# Altium PCB MAX96724_COUPON.PcbDoc (part 1 of 2) (continued)
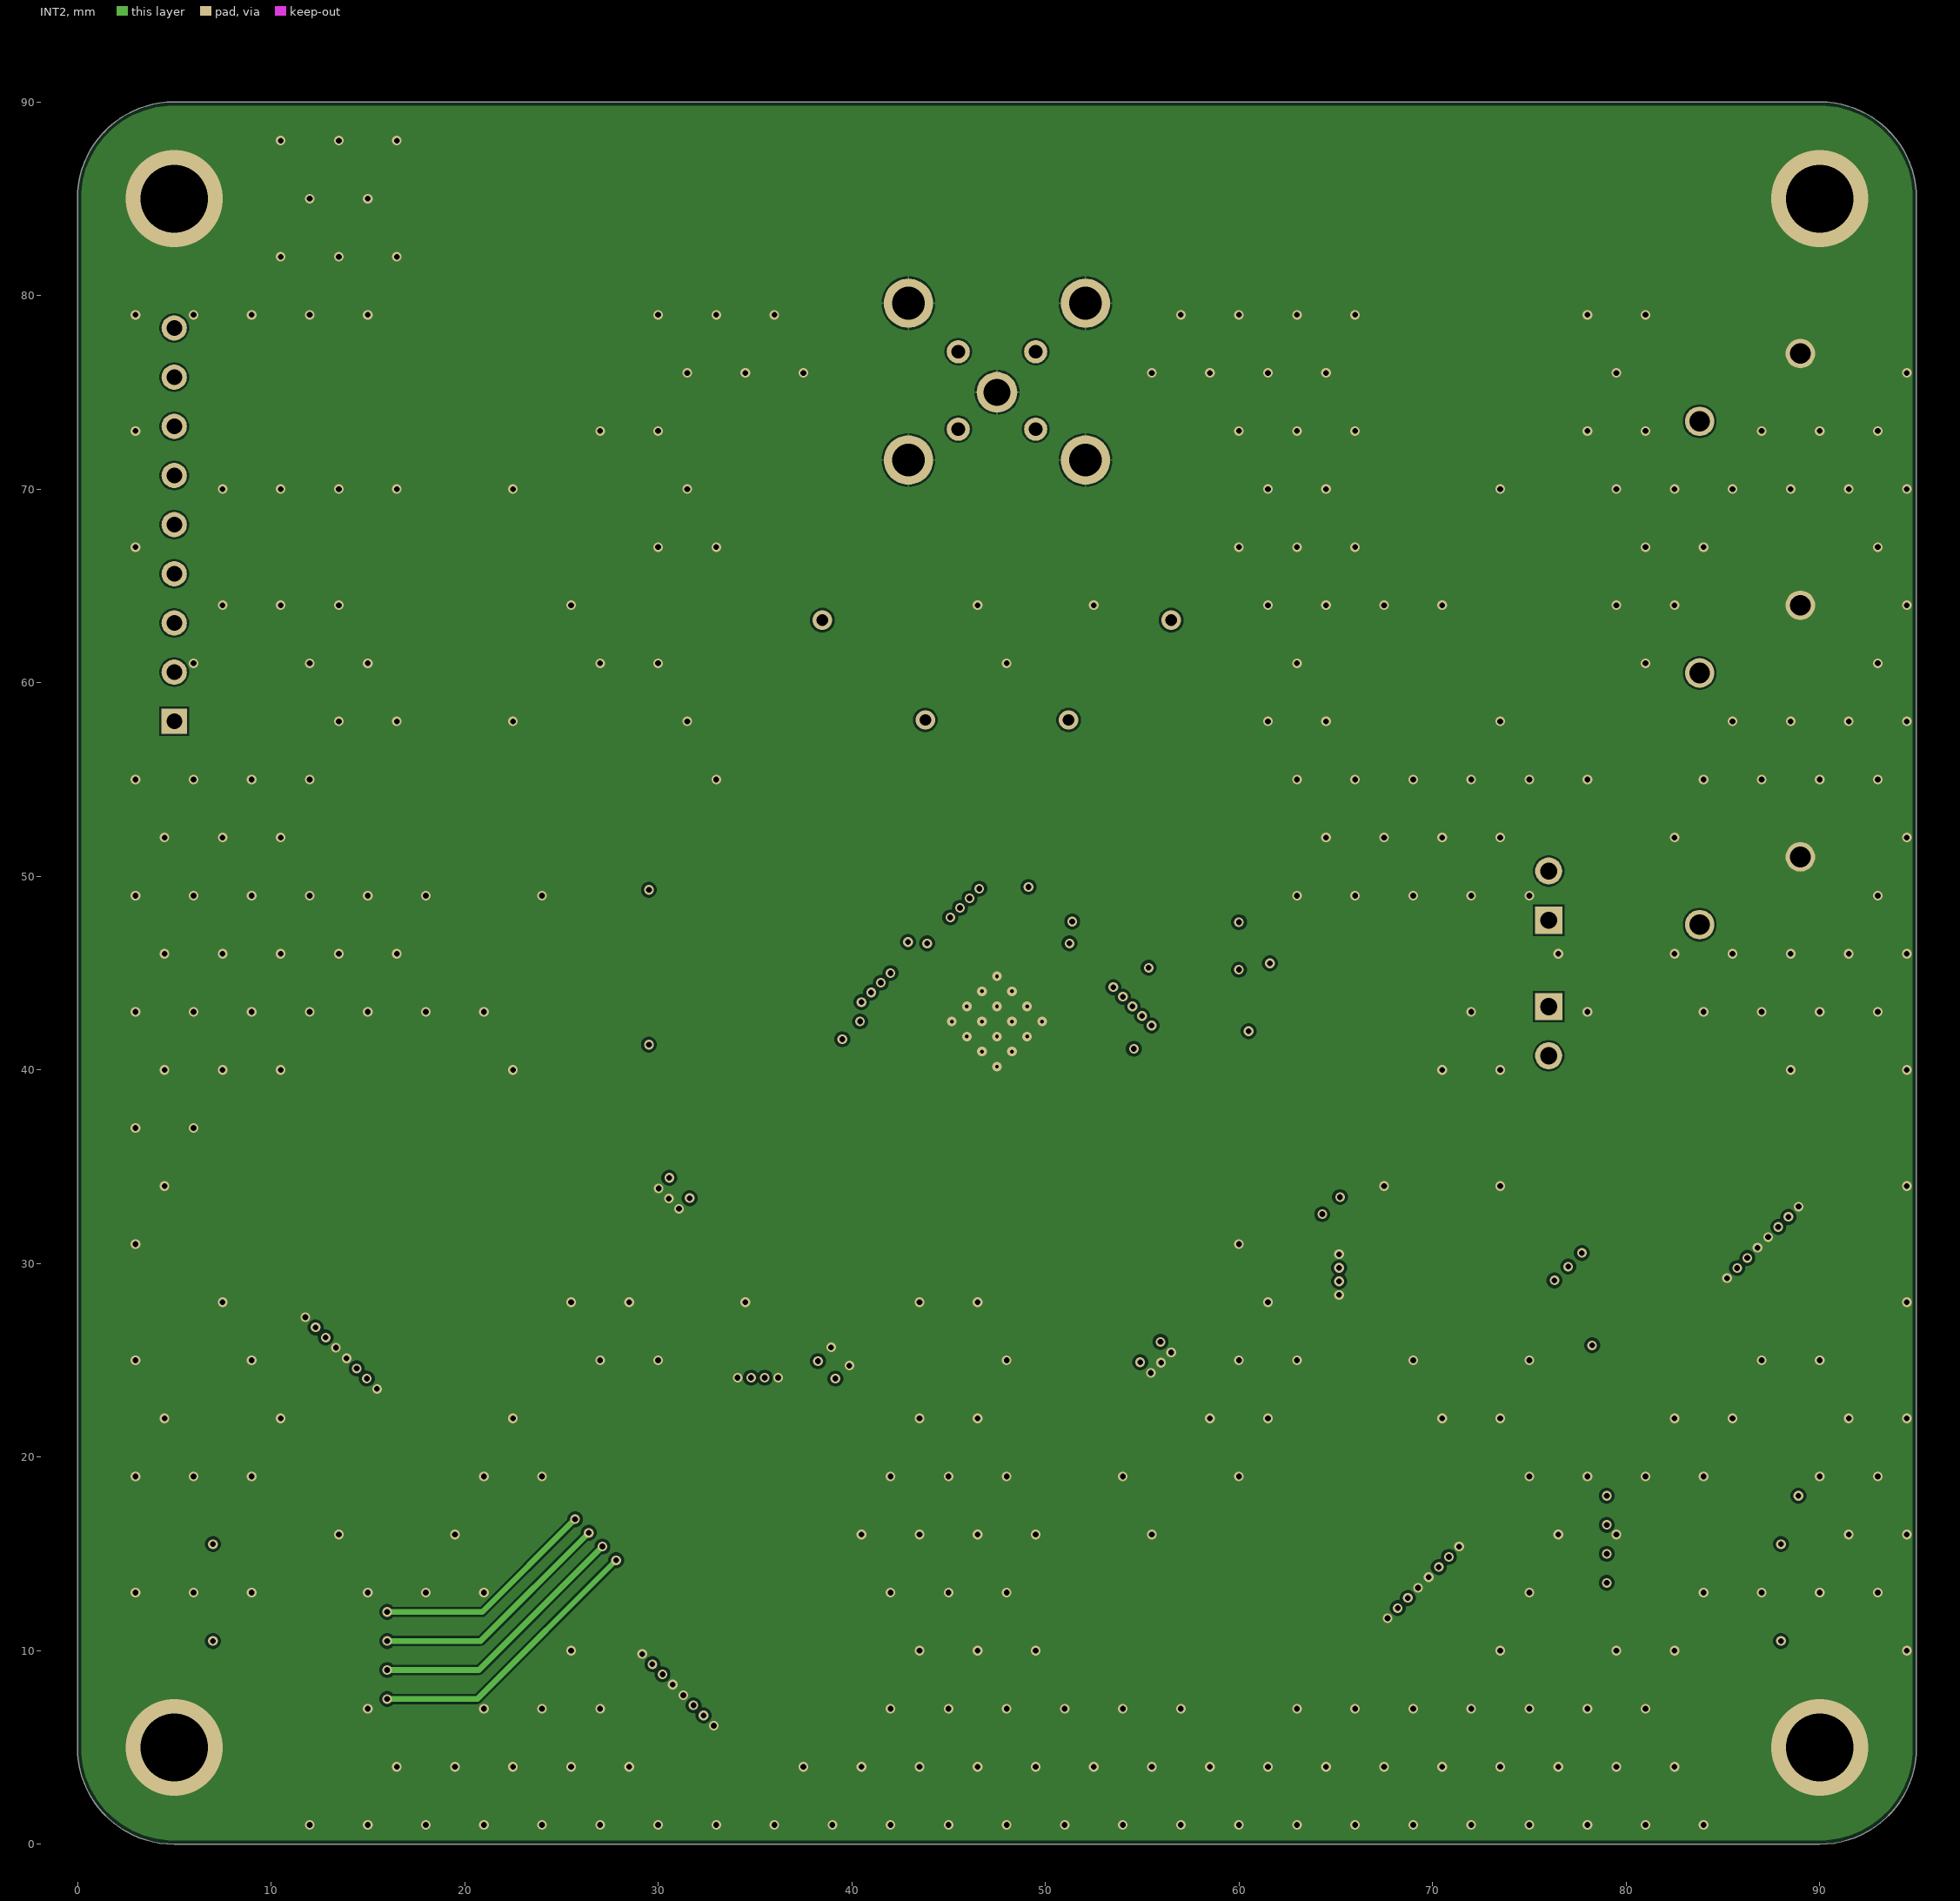
[diagram p3: INT2]
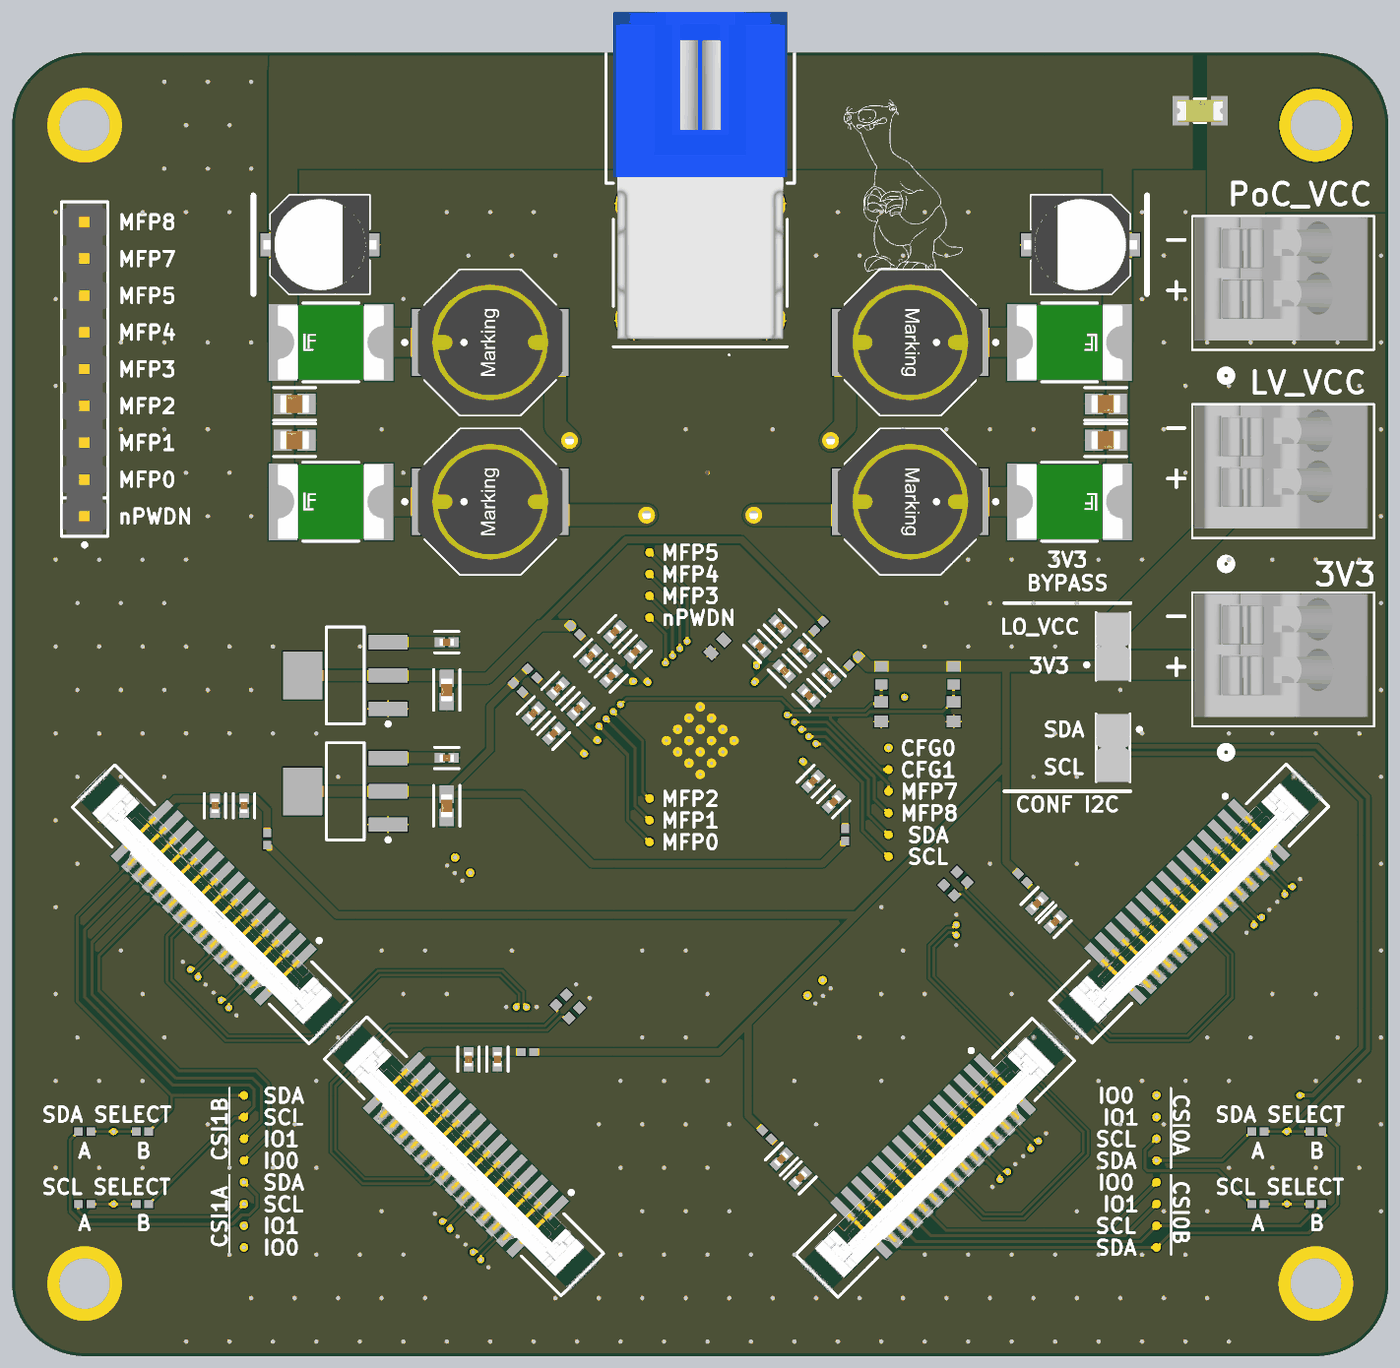
[diagram p5: 3D render of the assembled board from above, using the file's embedded part models]
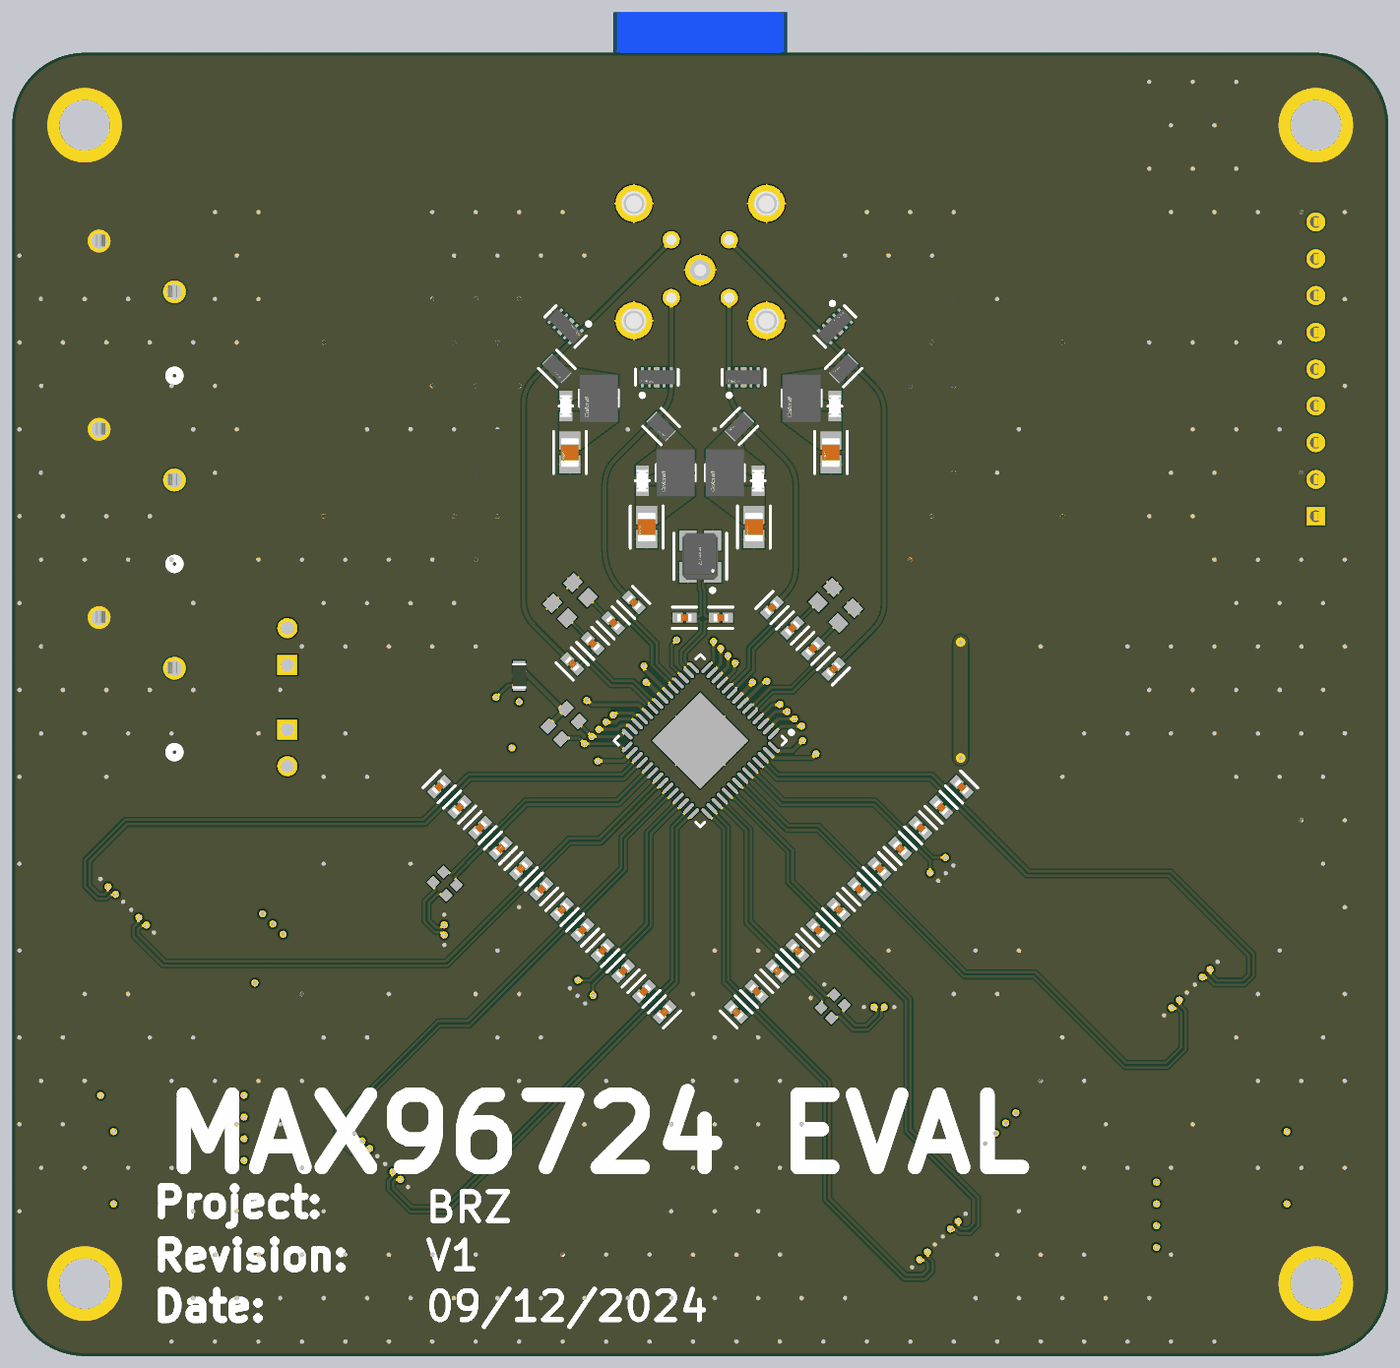
[diagram p6: 3D render of the assembled board from below, using the file's embedded part models]

## Layer stack, top to bottom
Top Solder: solder mask 0.0102, Solder Resist, Dk 3.5
TOP: signal copper 0.035
Dielectric 3: prepreg 0.2104, PP-022, Dk 4.4
INT1: signal copper 0.0152
Dielectric 1: dielectric 1.065, FR-4, Dk 4.6
INT2: signal copper 0.0152
Dielectric 4: prepreg 0.2104, PP-022, Dk 4.4
BOT: signal copper 0.035
Bottom Solder: solder mask 0.0102, Solder Resist, Dk 3.5

## Board outline
5,0 cw(c5,5) 0,5 0,85 cw(c5,85) 5,90 90,90 cw(c90,85) 95,85 95,5 cw(c90,5) 90,0

## Design rules (kind name [scope] priority, off if disabled: settings)
BoardOutlineClearance [All] p1: gap=0.2 ignorepadtopadclearanceinfootprint=FALSE
Clearance [All] p1: gap=0.102 ignorepadtopadclearanceinfootprint=FALSE except(0.127: Arc-Via Track-Via SMDPad-Via THPad-Via Via-Via Via-Fill Via-Poly Via-Region Via-Text; 0.25: Arc-Hole Track-Hole SMDPad-Hole THPad-Hole Via-Hole Fill-Hole Poly-Hole Region-Hole Text-Hole)
ComponentClearance [All] p1: gap=0.102 collisioncheckmode=3 verticalgap=0.102 showdistances=TRUE
DiffPairsRouting DiffPairsRouting_100DIFF [InDifferentialPairClass('100DIFF')] p1: maxlimit=0.15 minlimit=0.127 mostfreqgap=0.15 toplayer_mingap=0.15 toplayer_minwidth=0.172 toplayer_maxwidth=0.172 toplayer_prefwidth=0.172 midlayer1_maxgap=0.127 midlayer1_prefgap=0.127 midlayer1_minwidth=0.092 midlayer1_maxwidth=0.092 midlayer1_prefwidth=0.092 midlayer2_maxgap=0.127 midlayer2_prefgap=0.127 midlayer2_minwidth=0.092 midlayer2_maxwidth=0.092 midlayer2_prefwidth=0.092 bottomlayer_mingap=0.15 bottomlayer_minwidth=0.172 bottomlayer_maxwidth=0.172 bottomlayer_prefwidth=0.172 impedanceprofiledriven=TRUE impedanceprofileid={13D1A9AB-2113-42CE-8DFF-950184DB0145} impedanceprofilevalue=100.000000 maxuncoupledlength=12.7
DiffPairsRouting [All] p2: maxlimit=0.102 minlimit=0.102 mostfreqgap=0.102 toplayer_minwidth=0.102 toplayer_maxwidth=1816.048 toplayer_prefwidth=0.102 midlayer1_minwidth=0.102 midlayer1_maxwidth=1816.048 midlayer1_prefwidth=0.102 midlayer2_minwidth=0.102 midlayer2_maxwidth=1816.048 midlayer2_prefwidth=0.102 bottomlayer_minwidth=0.102 bottomlayer_maxwidth=1816.048 bottomlayer_prefwidth=0.102 maxuncoupledlength=12.7
Height [All] p1: minheight=0 maxheight=1816.048 prefheight=12.7
HoleSize [All] p1: absolutevalues=TRUE maxlimit=6.3 minlimit=0.2 maxpercent=80.000 minpercent=20.000
HoleToHoleClearance [All] p1: gap=0.25 allowstackedmicrovias=FALSE
MatchedLengths CSI_PAIRS_LENGTH_MATCH [InDifferentialPairClass('100DIFF')] p1: tolerance=25.4 checknetsindiffpair=TRUE checkdiffpairvsdiffpair=FALSE checkxsignals=FALSE checkothers=FALSE usedelayunits=TRUE delaytolerance=0.500000
MinimumAnnularRing [All] p1: minimumring=0.076
MinimumSolderMaskSliver [All] p1: minsoldermaskwidth=0
PlaneClearance [All] p1: clearance=0.102
PlaneConnect PlaneConnectPowerPads [InPadClass('PowerPads')] p1: planeconnectstyle=Direct reliefexpansion=0.508 reliefentries=4 reliefconductorwidth=0.254 reliefairgap=0.254
PlaneConnect [All] p2: pad.planeconnectstyle=Relief pad.reliefexpansion=0.3 pad.reliefentries=4 pad.reliefconductorwidth=0.102 pad.reliefairgap=0.102 via.planeconnectstyle=Direct via.reliefexpansion=0.3 via.reliefentries=4 via.reliefconductorwidth=0.127 via.reliefairgap=0.127
PolygonConnect PolygonConnectPowerPads [InNetClass('PWR')] p1: connectstyle=Direct reliefconductorwidth=0.254 reliefentries=4 polygonreliefangle="90 Angle" airgapwidth=0.254
PolygonConnect PolygonConnect_PWR_CONNs [HasFootprint('1-2834011-2-Footprint-1')] p2: connectstyle=Direct reliefconductorwidth=0.102 reliefentries=4 polygonreliefangle="90 Angle" airgapwidth=0.102
PolygonConnect [All] p3: thpad.connectstyle=Relief thpad.reliefconductorwidth=0.102 thpad.reliefentries=4 thpad.polygonreliefangle="90 Angle" thpad.airgapwidth=0.102 smdpad.connectstyle=Relief smdpad.reliefconductorwidth=0.102 smdpad.reliefentries=4 smdpad.polygonreliefangle="90 Angle" smdpad.airgapwidth=0.102 via.connectstyle=Direct via.reliefconductorwidth=0.127 via.reliefentries=4 via.polygonreliefangle="90 Angle" via.airgapwidth=0.127
RoutingVias [All] p1: holewidth=0.2 width=0.45 viastyle="Through Hole" minholewidth=0.2 minwidth=0.45 maxholewidth=6.3 maxwidth=6.55
SilkToSilkClearance [All] p1: silktosilkclearance=0
SilkToSolderMaskClearance [IsPad] p1: minsilkscreentomaskgap=0.102 clearancetoexposedcopper=TRUE
SolderMaskExpansion [All] p1: expansion=0.075 istentingtop=FALSE
Width Width_50SINGLE [InNetClass('50SINGLE')] p1: maxlimit=0.264 minlimit=0.181 preferedwidth=0.264 toplayer_minwidth=0.264 midlayer1_maxwidth=0.181 midlayer1_prefwidth=0.181 midlayer2_maxwidth=0.181 midlayer2_prefwidth=0.181 bottomlayer_minwidth=0.264 impedanceprofiledriven=TRUE impedanceprofileid={F0F446AF-9D69-427E-851C-CC714E0DDE48} impedanceprofilevalue=50.000000 minimp=50.000000 maximp=50.000000 favimp=50.000000
Width [All] p2: maxlimit=1816.048 minlimit=0.102 preferedwidth=0.102
20 further rules are at their usual default settings.

## Classes and differential pairs
net class PWR: 3V3_AUX LO_VCC NetC64_1 NetC65_1 NetC66_1 NetC67_1 NetF2_2 NetF3_2 NetF4_2 NetF5_2 NetL1_2 NetL3_2 NetL5_2 NetL7_2 PoC_PWR VCC
differential pair class 100DIFF: CKA CKB CKC CKF CSI0_CK CSI0_D0 CSI0_D1 CSI0_D2 CSI0_D3 CSI1_CK CSI1_D0 CSI1_D1 CSI1_D2 CSI1_D3 DA0 DA1 DA2 DA3 DB0 DB1 DB2 DB3 J1 J2 J3 J4 SIOA SIOB SIOC SIOD
net class 50SINGLE: PoC_A PoC_B PoC_C PoC_D
component class MAX96724_COUPON: C1 C2 C3 C4 C5 C6 C7 C8 C9 C10 C11 C12 C13 C72 F1 J1 J2 J3 J4 J5 J6 J7 J9 P1 P2 R1 R2 R3 R4 R5 R6 R7 R9 R11 R12 R13 R15 R17 R18 R19 R20 R21 R22 R23 R24 TP1 TP2 TP3 TP4 TP5 TP6 TP7 TP8 TP10 TP11 TP12 TP13 TP14 TP15 TP16 TP17
component class GMSL_DESERIALIZER_0: C14 C15 C16 C17 C18 C19 C20 C21 C22 C23 C24 C25 C26 C27 C28 C29 C30 C31 C32 C33 C34 C35 C36 C37 C38 C39 C40 C41 C42 C43 C44 C45 C46 C47 C48 C49 C50 C51 C52 C53 C54 C55 C56 C57 C58 C59 C60 C61 C62 C63 C64 C65 C66 C67 C68 C69 C70 C71 D1 D2 D3 D4 F2 F3 F4 F5 J8 L1 L2 L3 L4 L5 L6 L7 L8 L9 L10 L11 L12 R25 R26 R27 R28 R29 R30 R31 R32 R34 R35 R36 R37 R38 R39 R40 R41 R42 R43 R44 R45 R46 R47 TP18 TP19 TP20 TP21 TP22 TP23 TP24 TP25 TP26 TP27 TP28 TP29 TP30 TP31 TP32 TP33 TP34 U1 U2 U3 Y1
differential pair J4: +J4_P -J4_N
differential pair J3: +J3_P -J3_N
differential pair J2: +J2_P -J2_N
differential pair J1: +J1_P -J1_N
differential pair X25: +X25_P -X25_N
differential pair SIOD: +SIOD_P -SIOD_N
differential pair SIOC: +SIOC_P -SIOC_N
differential pair SIOB: +SIOB_P -SIOB_N
differential pair SIOA: +SIOA_P -SIOA_N
differential pair DB3: +DB3_P -DB3_N
differential pair DB2: +DB2_P -DB2_N
differential pair DB1: +DB1_P -DB1_N
differential pair DB0: +DB0_P -DB0_N
differential pair DA3: +DA3_P -DA3_N
differential pair DA2: +DA2_P -DA2_N
differential pair DA1: +DA1_P -DA1_N
differential pair DA0: +DA0_P -DA0_N
differential pair CSI1_D3: +CSI1_D3_P -CSI1_D3_N
differential pair CSI1_D2: +CSI1_D2_P -CSI1_D2_N
differential pair CSI1_D1: +CSI1_D1_P -CSI1_D1_N
differential pair CSI1_D0: +CSI1_D0_P -CSI1_D0_N
differential pair CSI1_CK: +CSI1_CK_P -CSI1_CK_N
differential pair CSI0_D3: +CSI0_D3_P -CSI0_D3_N
differential pair CSI0_D2: +CSI0_D2_P -CSI0_D2_N
differential pair CSI0_D1: +CSI0_D1_P -CSI0_D1_N
differential pair CSI0_D0: +CSI0_D0_P -CSI0_D0_N
differential pair CSI0_CK: +CSI0_CK_P -CSI0_CK_N
differential pair CKF: +CKF_P -CKF_N
differential pair CKC: +CKC_P -CKC_N
differential pair CKB: +CKB_P -CKB_N
differential pair CKA: +CKA_P -CKA_N

## Components (designator, comment, footprint, x,y, rotation, side; value= is the part's Value field where it differs from the comment)
C1 "EEEFK1E101XP" PNSC-FK-V-D8_V 21.25,76.75 r0 top
C2 "EEEFK1E101XP" PNSC-FK-V-D8_V 73.75,76.75 r180 top
C3 "GRM21BR61E226ME44L" FP-GRM21B-0_2-e0_2_0_7-IPC_B 19.5,65.75 r180 top
C4 "GRM21BR61E226ME44L" FP-GRM21B-0_2-e0_2_0_7-IPC_B 19.5,63.25 r180 top
C5 "GRM21BR61E226ME44L" FP-GRM21B-0_2-e0_2_0_7-IPC_B 75.5,63.25 r0 top
C6 "100n" FP-0402-L_1_0_0_05-W_0_5-IPC_A 72,30 r225 top
C7 "10u" FP-0402-L_1_0_0_05-W_0_5-IPC_A 70.75,31.25 r225 top
C8 "100n" FP-0402-L_1_0_0_05-W_0_5-IPC_A 54.4,12.3 r225 top
C9 "10u" FP-0402-L_1_0_0_05-W_0_5-IPC_A 53.1,13.6 r225 top
C10 "100n" FP-0402-L_1_0_0_05-W_0_5-IPC_A 31.5,20.5 r270 top
C11 "10u" FP-0402-L_1_0_0_05-W_0_5-IPC_A 33.5,20.5 r270 top
C12 "100n" FP-0402-L_1_0_0_05-W_0_5-IPC_A 14,38 r270 top
C13 "10u" FP-0402-L_1_0_0_05-W_0_5-IPC_A 16,38 r270 top
C14 "100n" FP-0402-L_1_0_0_05-W_0_5-IPC_A 65.531,39.318 r315 bottom
C15 "100n" FP-0402-L_1_0_0_05-W_0_5-IPC_A 64.117,37.904 r315 bottom
C16 "100n" FP-0402-L_1_0_0_05-W_0_5-IPC_A 59.874,33.661 r315 bottom
C17 "100n" FP-0402-L_1_0_0_05-W_0_5-IPC_A 58.46,32.247 r315 bottom
C18 "100n" FP-0402-L_1_0_0_05-W_0_5-IPC_A 57.046,30.833 r315 bottom
C19 "100n" FP-0402-L_1_0_0_05-W_0_5-IPC_A 55.632,29.419 r315 bottom
C20 "220n" FP-0402-L_1_0_0_05-W_0_5-IPC_A 56.339,47.803 r45 bottom
C21 "220n" FP-0402-L_1_0_0_05-W_0_5-IPC_A 52.096,52.046 r45 bottom
C22 "100n" FP-0402-L_1_0_0_05-W_0_5-IPC_A 51.389,25.176 r315 bottom
C23 "100n" FP-0402-L_1_0_0_05-W_0_5-IPC_A 49.975,23.762 r315 bottom
C24 "100n" FP-0402-L_1_0_0_05-W_0_5-IPC_A 62.703,36.49 r315 bottom
C25 "220n" FP-0402-L_1_0_0_05-W_0_5-IPC_A 54.925,49.218 r45 bottom
C26 "220n" FP-0402-L_1_0_0_05-W_0_5-IPC_A 53.51,50.632 r45 bottom
C27 "100n" FP-0402-L_1_0_0_05-W_0_5-IPC_A 61.289,35.075 r315 bottom
C28 "100n" FP-0402-L_1_0_0_05-W_0_5-IPC_A 45.025,23.762 r225 bottom
C29 "100n" FP-0402-L_1_0_0_05-W_0_5-IPC_A 43.611,25.176 r225 bottom
C30 "100n" FP-0402-L_1_0_0_05-W_0_5-IPC_A 39.368,29.419 r225 bottom
C31 "100n" FP-0402-L_1_0_0_05-W_0_5-IPC_A 37.954,30.833 r225 bottom
C32 "100n" FP-0402-L_1_0_0_05-W_0_5-IPC_A 36.54,32.247 r225 bottom
C33 "100n" FP-0402-L_1_0_0_05-W_0_5-IPC_A 35.126,33.661 r225 bottom
C34 "220n" FP-0402-L_1_0_0_05-W_0_5-IPC_A 42.55,51.692 r135 bottom
C35 "220n" FP-0402-L_1_0_0_05-W_0_5-IPC_A 38.308,47.45 r135 bottom
C36 "100n" FP-0402-L_1_0_0_05-W_0_5-IPC_A 30.868,37.889 r225 bottom
C37 "100n" FP-0402-L_1_0_0_05-W_0_5-IPC_A 29.454,39.303 r225 bottom
C38 "100n" FP-0402-L_1_0_0_05-W_0_5-IPC_A 42.197,26.59 r225 bottom
C39 "220n" FP-0402-L_1_0_0_05-W_0_5-IPC_A 41.136,50.278 r135 bottom
C40 "220n" FP-0402-L_1_0_0_05-W_0_5-IPC_A 39.722,48.864 r135 bottom
C41 "100n" FP-0402-L_1_0_0_05-W_0_5-IPC_A 40.782,28.004 r225 bottom
C42 "30p" FP-0402-L_1_0_0_05-W_0_5-IPC_A 46.086,50.985 r0 bottom
C43 "30p" FP-0402-L_1_0_0_05-W_0_5-IPC_A 48.586,50.985 r180 bottom
C44 "100n" FP-0402-L_1_0_0_05-W_0_5-IPC_A 30,49.3 r180 top
C45 "GRM188R60J106ME47D" FP-GRM188-0_1-e0_2_0_55-IPC_A 30,46 r270 top
C46 "10u" FP-0402-L_1_0_0_05-W_0_5-IPC_A 41.601,50.036 r225 top
C47 "100n" FP-0402-L_1_0_0_05-W_0_5-IPC_A 43.03,48.637 r225 top
C48 "10u" FP-0402-L_1_0_0_05-W_0_5-IPC_A 53.015,50.42 r315 top
C49 "100n" FP-0402-L_1_0_0_05-W_0_5-IPC_A 51.601,49.005 r315 top
C50 "10u" FP-0402-L_1_0_0_05-W_0_5-IPC_A 35.974,44.409 r45 top
C51 "100n" FP-0402-L_1_0_0_05-W_0_5-IPC_A 37.388,42.995 r45 top
C52 "10u" FP-0402-L_1_0_0_05-W_0_5-IPC_A 37.67,46.106 r225 top
C53 "100n" FP-0402-L_1_0_0_05-W_0_5-IPC_A 39.085,44.692 r225 top
C54 "10u" FP-0402-L_1_0_0_05-W_0_5-IPC_A 39.934,48.369 r45 top
C55 "10n" FP-0402-L_1_0_0_05-W_0_5-IPC_A 41.349,46.955 r45 top
C56 "10u" FP-0402-L_1_0_0_05-W_0_5-IPC_A 54.712,48.723 r135 top
C57 "10n" FP-0402-L_1_0_0_05-W_0_5-IPC_A 53.298,47.308 r135 top
C58 "100n" FP-0402-L_1_0_0_05-W_0_5-IPC_A 30,41.3 r180 top
C59 "GRM188R60J106ME47D" FP-GRM188-0_1-e0_2_0_55-IPC_A 30,38 r270 top
C60 "10u" FP-0402-L_1_0_0_05-W_0_5-IPC_A 56.41,47.025 r315 top
C61 "10n" FP-0402-L_1_0_0_05-W_0_5-IPC_A 54.995,45.611 r315 top
C62 "10u" FP-0402-L_1_0_0_05-W_0_5-IPC_A 56.709,38.273 r45 top
C63 "10n" FP-0402-L_1_0_0_05-W_0_5-IPC_A 55.293,39.687 r45 top
C64 "GRM21BR61E226ME44L" FP-GRM21B-0_2-e0_2_0_7-IPC_B 56.5,62.4 r270 bottom
C65 "GRM21BR61E226ME44L" FP-GRM21B-0_2-e0_2_0_7-IPC_B 51.2,57.25 r270 bottom
C66 "GRM21BR61E226ME44L" FP-GRM21B-0_2-e0_2_0_7-IPC_B 38.478,62.4 r270 bottom
C67 "GRM21BR61E226ME44L" FP-GRM21B-0_2-e0_2_0_7-IPC_B 43.8,57.25 r270 bottom
C68 "100n" FP-0402-L_1_0_0_05-W_0_5-IPC_A 54.238,28.004 r135 bottom
C69 "100n" FP-0402-L_1_0_0_05-W_0_5-IPC_A 52.824,26.59 r135 bottom
C70 "100n" FP-0402-L_1_0_0_05-W_0_5-IPC_A 33.696,35.06 r45 bottom
C71 "100n" FP-0402-L_1_0_0_05-W_0_5-IPC_A 32.282,36.474 r45 bottom
C72 "GRM21BR61E226ME44L" FP-GRM21B-0_2-e0_2_0_7-IPC_B 75.5,65.75 r0 top
D1 "ESD204DQAR" FP-DQA0010A-MFG 56.8,71.1 r315 bottom value=0.55pF
D2 "ESD204DQAR" FP-DQA0010A-MFG 50.5,67.6 r90 bottom value=0.55pF